# Altium PCB 23005.PcbDoc (part 2 of 3) (continued)
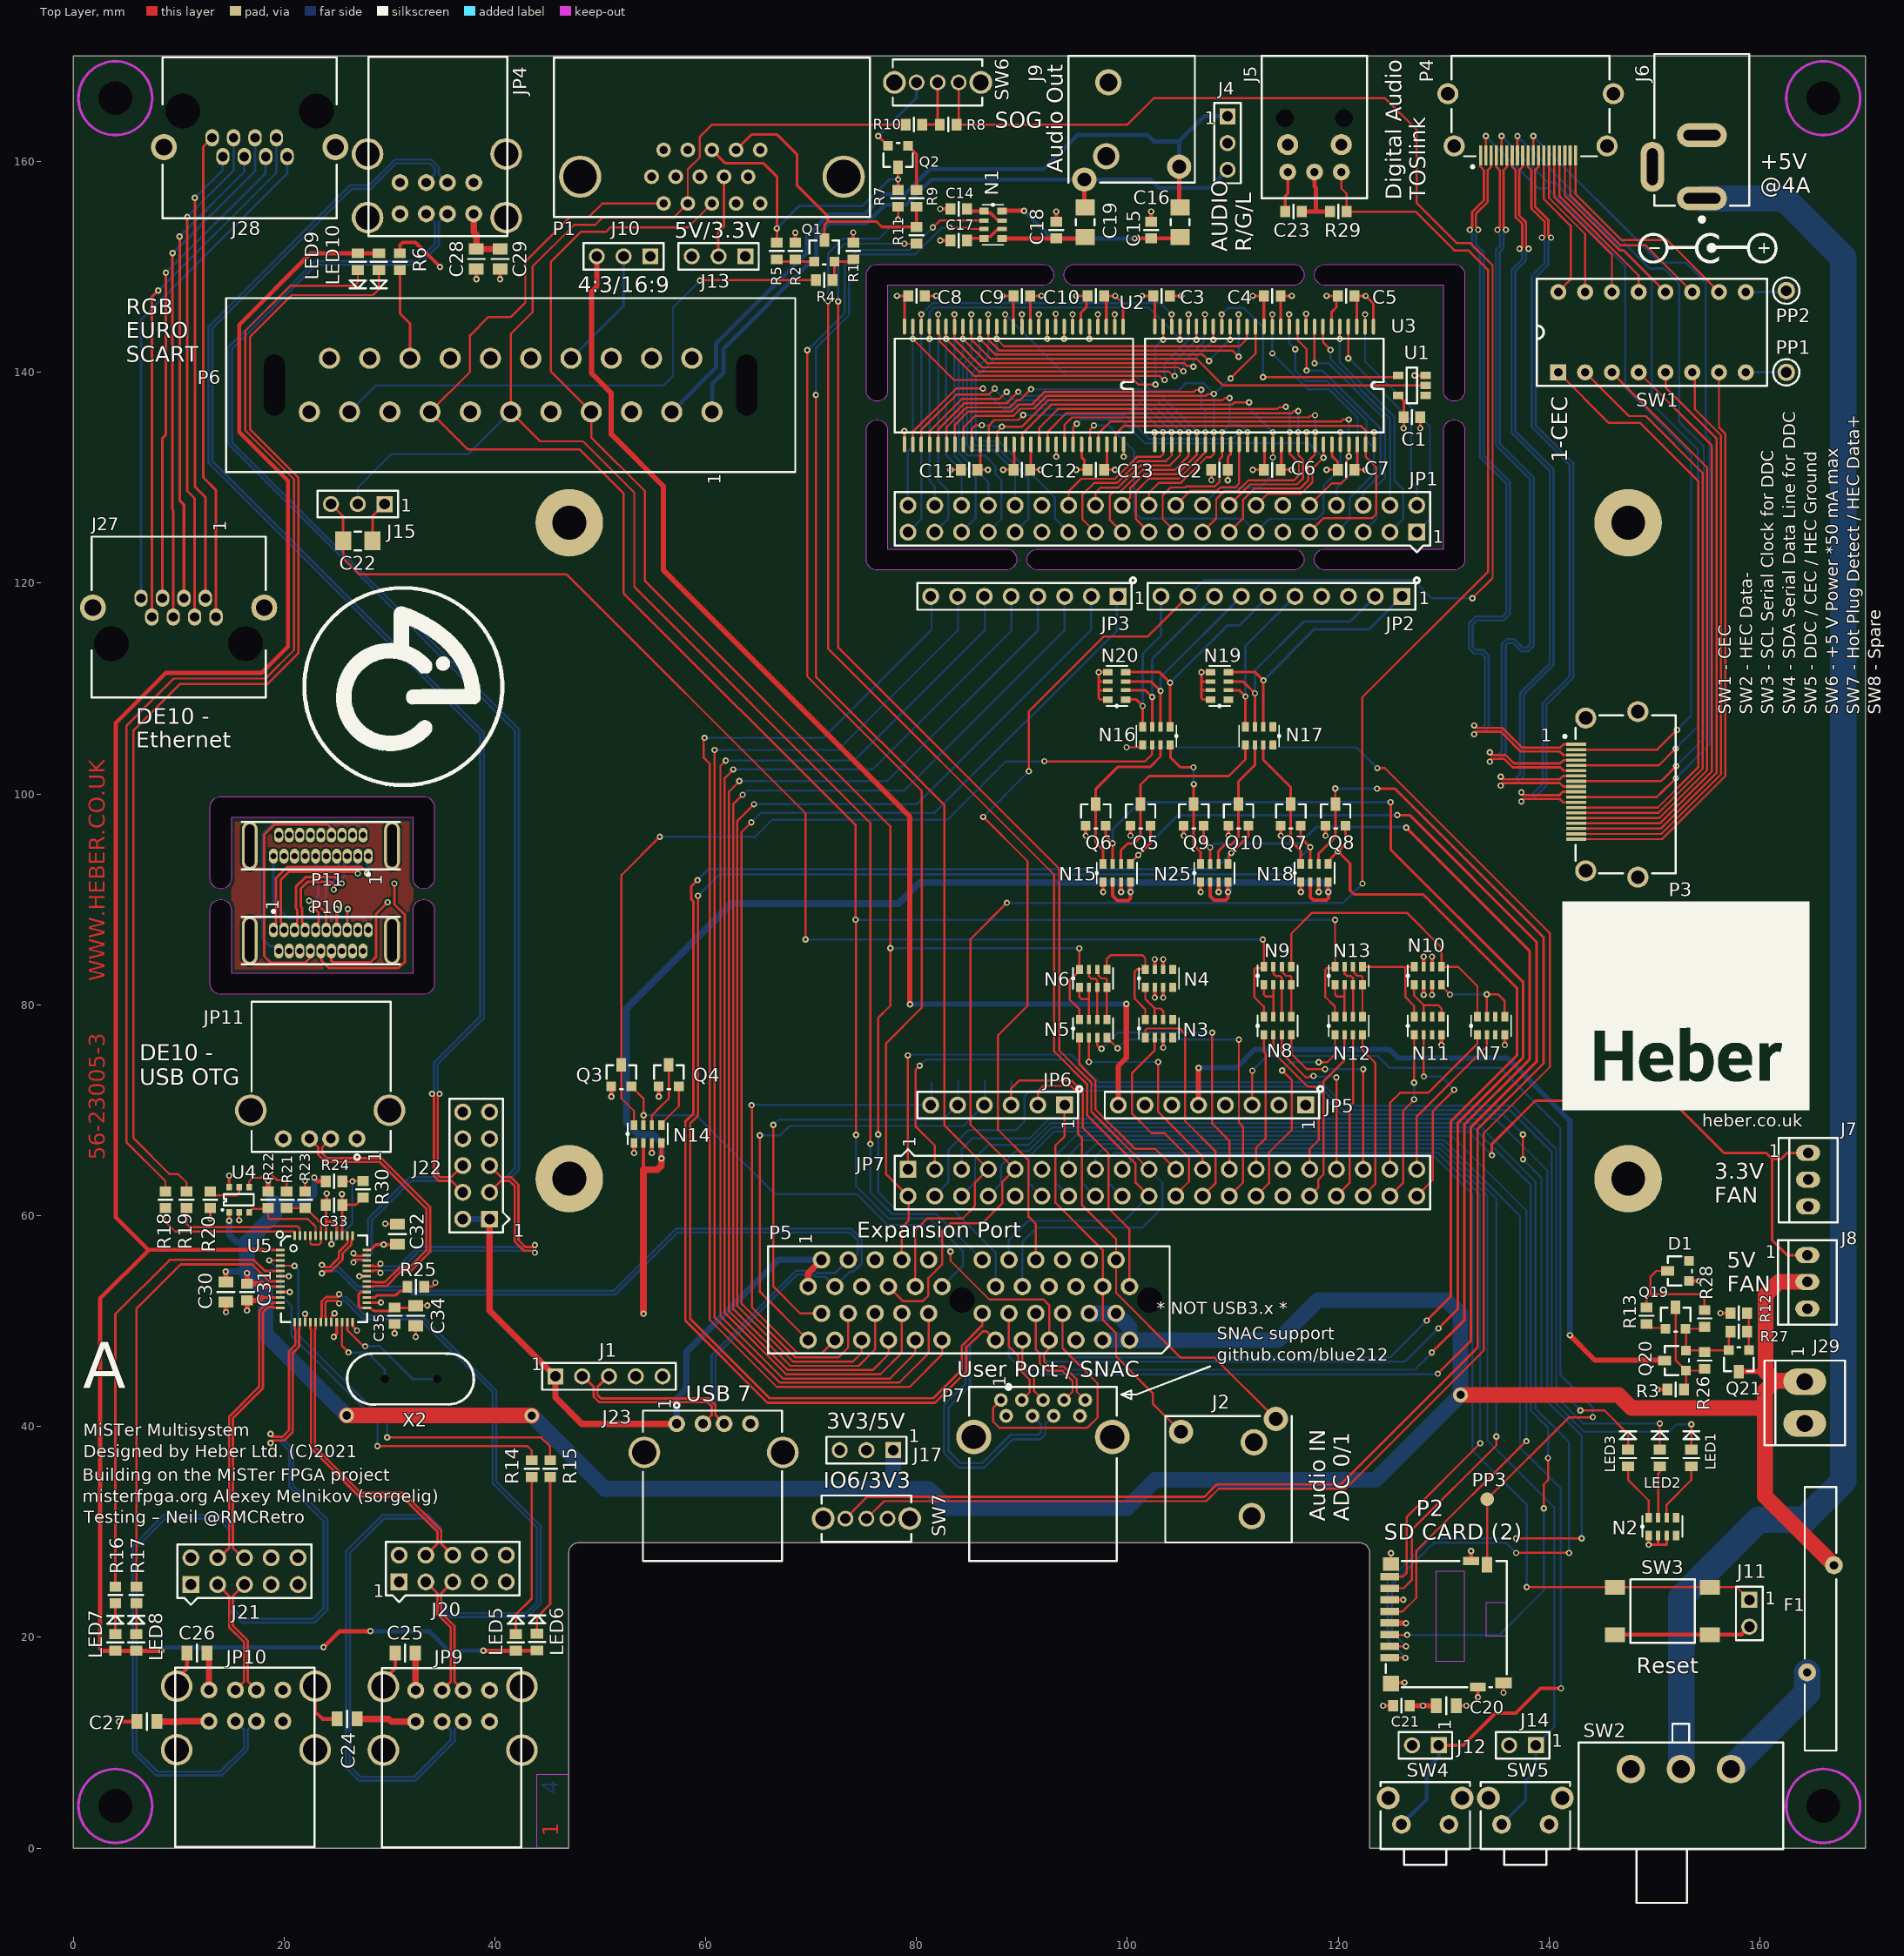
[diagram p0: Top Layer view]
## Nets (pads, with @x,y where several pads share a name; then routed paths per layer and width w, separated by ;. In a path a pad name is that pad's centre, name@x,y a point inside that pad or via, vN(x,y) a via of type N, cw(c..) or ccw(c..) an arc to the next point about the centre after c; other vN are vias at no path point) (continued)
  Bottom Layer w0.23: v1(137.372,99.275) 137.63,99.533 138.472,99.533 139.755,100.815 139.755,108.478 142.3,111.023 142.3,131.38 138.725,134.955 138.725,148.998 139.93,150.203 139.93,152.454 140.189,152.713 v1(140.189,152.773)
HDMI_CK_P: P3.10 P4.10 | length 71.4
  Top Layer w0.23: v1@137.51,99.888 140.988,99.888 141.31,100.21 P3.10@142.575,100.21 ; P4.10@138,160.575 138,159.51 138.322,159.188 138.322,158.925 138.322,155.55 139.575,154.298 139.575,152.91 139.552,152.91 139.416,152.773 v1(139.316,152.773)
  Bottom Layer w0.23: v1(137.372,100.145) 137.63,99.888 138.325,99.888 139.4,100.963 139.4,108.625 141.945,111.17 141.945,131.233 138.37,134.808 138.37,149.145 139.575,150.35 139.575,152.454 139.316,152.713 v1(139.316,152.773)
HDMI_D0_N: P3.9 P4.9 | length 72.3
  Top Layer w0.23: v1@135.56,101.032 141.018,101.032 141.34,100.71 P3.9@142.575,100.71 ; P4.9@137.5,160.575 137.5,159.51 137.178,159.188 137.178,156.525 137.178,154.873 137.805,154.245 137.805,151.86 137.816,151.86 137.956,151.72 v1(138.056,151.72)
  Bottom Layer w0.23: v1(135.42,100.786) 135.442,100.786 135.689,101.032 136.93,101.032 137.6,101.703 137.6,109.423 140.43,112.253 140.43,130.795 136.8,134.425 136.8,149.573 137.805,150.578 137.805,151.4 138.056,151.651 v1(138.056,151.72)
HDMI_D0_P: P3.7 P4.7 | length 71.8
  Top Layer w0.23: v1@135.56,101.387 141.012,101.387 141.335,101.71 P3.7@142.575,101.71 ; P4.7@136.5,160.575 136.5,159.51 136.823,159.188 136.823,159.05 136.823,154.725 137.45,154.098 137.45,151.86 137.439,151.86 137.299,151.72 v1(137.199,151.72)
  Bottom Layer w0.23: v1(135.42,101.634) 135.442,101.634 135.689,101.387 136.782,101.387 137.245,101.85 137.245,109.57 140.075,112.4 140.075,130.648 136.445,134.278 136.445,149.72 137.45,150.725 137.45,151.4 137.199,151.651 v1(137.199,151.72)
HDMI_D1_N: P3.6 P4.6 | length 72.2
  Top Layer w0.23: v1@134.51,103.325 135.748,103.325 136.349,102.724 136.54,102.533 141.077,102.533 141.4,102.21 P3.6@141.835,102.21 ; v1(135.9,153.525) 135.895,153.525 135.678,153.743 135.678,159.187 136,159.51 P4.6@136,160.575 ; P3.6@141.84,102.21 P3.6@141.835,102.21 ; P3.6@142.575,102.21 P3.6@141.835,102.21
  Bottom Layer w0.23: v1(134.373,103.066) 134.633,103.325 135.277,103.325 135.88,103.928 135.88,114.102 136.1,114.322 136.55,114.322 137.33,113.542 138.047,113.542 138.53,114.025 138.53,130.02 135.305,133.245 135.305,151.424 135.678,151.796 135.678,153.202 135.9,153.425 v1(135.9,153.525)
HDMI_D1_P: P3.4 P4.4 | length 71.6
  Top Layer w0.23: v1@134.51,103.68 135.895,103.68 136.6,102.975 136.688,102.888 141.052,102.888 141.375,103.21 P3.4@141.835,103.21 ; P4.4@135,160.575 135,159.51 135.323,159.187 135.323,153.75 135.285,153.712 135.285,153.681 135.129,153.525 v1(135.1,153.525) ; P3.4@141.84,103.21 P3.4@141.835,103.21 ; P3.4@142.575,103.21 P3.4@141.835,103.21
  Bottom Layer w0.23: v1(134.373,103.939) 134.633,103.68 135.13,103.68 135.525,104.075 135.525,114.249 135.953,114.677 136.697,114.677 137.477,113.897 137.9,113.897 138.175,114.172 138.175,129.873 134.95,133.098 134.95,151.571 135.323,151.943 135.323,153.202 135.1,153.425 v1(135.1,153.525)
HDMI_D2_N: P3.3 P4.3 | length 72.4
  Top Layer w0.23: v1@133.05,105.9 135.425,105.9 135.664,105.661 137.292,104.033 141.015,104.033 141.337,103.71 141.5,103.71 P3.3@142.575,103.71 ; v1(133.278,153.525) 133.278,153.622 133.055,153.845 133.055,155.053 134.178,156.175 134.178,156.402 134.177,159.188 134.5,159.51 P4.3@134.5,160.575
  Bottom Layer w0.23: v1(132.895,105.66) 132.93,105.66 133.17,105.9 133.772,105.9 134.275,106.403 134.275,113.125 133.725,113.675 133.025,113.675 132.75,113.95 132.75,116.025 133.195,116.47 135.722,116.47 136.305,117.053 136.305,129.597 133.805,132.097 133.805,151.37 133.055,152.12 133.055,153.202 133.278,153.425 v1(133.278,153.525)
HDMI_D2_P: P3.1 P4.1 | length 71.5
  Top Layer w0.23: 132.7,153.75 132.7,155.2 133.823,156.322 133.823,159.125 133.822,159.187 133.5,159.51 P4.1@133.5,160.575 ; v1@133.05,106.255 135.572,106.255 136.019,105.808 137.44,104.388 141.063,104.388 141.385,104.71 P3.1@142.575,104.71
  Bottom Layer w0.23: v1(132.478,153.525) 132.478,153.425 132.7,153.202 132.7,151.973 133.45,151.223 133.45,131.95 135.95,129.45 135.95,117.2 135.575,116.825 133.048,116.825 132.395,116.172 132.395,113.803 132.878,113.32 133.578,113.32 133.92,112.978 133.92,106.55 133.625,106.255 133.17,106.255 132.93,106.495 v1(132.895,106.495)
HSYNC: P1.13 Q2.3 R5.1 R7.1 | length 29.1
  Top Layer w0.25: P1.13@60.59,161.1 61.84,159.85 65.475,159.85 66.75,158.575 v1(66.75,153.65) R5.1@66.75,152.287 ; R7.1@78.25,157.287 v1(78.25,158.3) Q2.3@78.25,159.459
  Bottom Layer w0.25: v1(66.75,153.65) 68.9,155.8 74.9,155.8 77.4,158.3 v1(78.25,158.3)
HV_8: N14.5 Q4.2 | length 4.3
  Top Layer w0.2: N14.5@55.8,68.6 55.8,68.725 57.452,70.377 Q4.2@57.452,72.259
HV_D+: N18.7 P5.35 P7.3 Q7.2 | length 168.9
  Top Layer w0.23: v1(59.28,90.345) 59.28,69.502 58.525,68.747 58.525,50.2 66.05,42.675 81.575,42.675 84.3,45.4 84.3,47.65 86.23,49.58 P5.35@86.23,50.73
  Top Layer w0.25: Q7.2@116.453,97.009 116.453,95.847 v1(117.35,94.95) N18.7@117.35,93.35
  Bottom Layer w0.23: P5.35@86.23,50.73 86.23,49.58 84.638,47.988 84.638,44.038 82.595,41.995 82.595,37.497 83.992,36.1 86.425,36.1 89.1,38.775 91.725,38.775 92.23,39.28 92.23,40.23 P7.3@93,41
  Bottom Layer w0.25: v1(59.28,90.345) 61.31,92.375 114.775,92.375 v1(117.35,94.95)
HV_D-: N25.5 P5.36 P7.2 Q10.2 | length 162.3
  Top Layer w0.23: 58.075,68.905 58.075,50.042 65.872,42.245 81.753,42.245 84.73,45.222 84.73,47.472 86.283,49.025 86.665,49.025 P5.36@87.5,48.19
  Top Layer w0.25: 58.075,68.905 58.085,68.915 58.085,68.929 58.84,69.684 58.84,89.81 58.65,90 58.65,91.25 v1(59.225,91.825) ; N25.5@109.55,93.35 109.625,93.425 109.625,94.175 v1(109.85,94.4) 111.494,96.044 Q10.2@111.494,97.009
  Bottom Layer w0.23: P5.36@87.5,48.19 87.5,48.2 86.675,49.025 86.283,49.025 85.068,47.81 85.068,43.818 83.025,41.775 83.025,37.675 84.17,36.53 86.247,36.53 88.922,39.205 91.53,39.205 91.8,39.475 91.8,40.2 P7.2@91,41
  Bottom Layer w0.25: v1(59.225,91.825) 60.25,92.85 108.3,92.85 v1(109.85,94.4)
HV_DRAIN: N25.7 P5.38 P7.7 Q9.2 | length 130.1
  Top Layer w0.2: P5.38@90.04,48.19 90.04,45.685 91.15,44.575 91.15,43.35 P7.7@92,42.5
  Top Layer w0.25: Q9.2@107.244,97.009 107.244,95.531 v1(107.85,94.925) N25.7@107.85,93.35 ; v1(126.45,96.8) 138.175,85.075 138.175,74.85 131.95,68.625 131.95,50.075 v1(128.875,47)
  Bottom Layer w0.2: P5.38@90.04,48.19 90.04,46.26 90.92,45.38 127.255,45.38 v1(128.875,47)
  Bottom Layer w0.25: v1(107.85,94.925) 108.225,95.3 116.35,95.3 117.9,96.85 126.4,96.85 v1(126.45,96.8)
HV_SSRX+: N15.5 P5.37 P7.8 Q5.2 | length 148.5
  Top Layer w0.2: P5.37@88.77,50.73 88.77,47.575 89.64,46.705 89.64,45.519 90.75,44.409 90.75,43.25 P7.8@90,42.5
  Top Layer w0.25: N15.5@100.3,93.35 100.3,93.475 v1(101.037,94.212) 102.203,95.378 Q5.2@102.203,97.009 ; v1(125.6,98) 126.775,98 138.8,85.975 138.8,74.6 132.6,68.4 132.6,48.15 v1(129.45,45)
  Bottom Layer w0.2: P5.37@88.77,50.73 88.77,46.635 90.45,44.955 129.405,44.955 v1(129.45,45)
  Bottom Layer w0.25: v1(101.037,94.212) 104.825,98 v1(125.6,98)
HV_SSRX-: N18.5 P5.41 P7.9 Q8.2 | length 127.1
  Top Layer w0.2: P7.9@88,42.5 87.275,41.775 87.275,40.45 87.85,39.875 96.2,39.875 97.175,40.85 97.175,44.075 93.85,47.4 P5.41@93.85,50.73
  Top Layer w0.25: N18.5@119.05,93.35 119.25,93.55 119.25,93.825 v1(119.976,94.551) ; Q8.2@120.703,97.009 120.703,95.278 v1(119.976,94.551) ; v1(128.4,50.05) 130.7,52.35 130.7,68.95 136.975,75.225 136.975,81.55 128.05,90.475 121.5,90.475 121.125,90.85 121.125,93.403 v1(119.976,94.551)
  Bottom Layer w0.2: P5.41@93.85,50.73 93.85,47.475 94.775,46.55 124.9,46.55 v1(128.4,50.05)
HV_SSTX+: N14.7 P5.40 P7.5 Q3.2 | length 62.3
  Top Layer w0.2: Q3.2@52.953,72.259 54.1,71.112 v1(54.1,69.525) N14.7@54.1,68.6 ; v1(83.225,56.6) 83.225,55.725 86.9,52.05 92.025,52.05 92.58,51.495 P5.40@92.58,48.19 92.58,47.4 92.1,46.92 92.1,46.15 92.575,45.675 93.991,45.675 95.2,44.466 95.2,43.3 P7.5@96,42.5
  Bottom Layer w0.2: v1@54.075,69.55 v1(54.1,69.525) 59.075,69.525 66.55,62.05 74.325,62.05 77.262,59.113 80.713,59.113 v1(83.225,56.6)
HV_SSTX-: N15.7 P5.39 P7.6 Q6.2 | length 145.4
  Top Layer w0.2: P5.39@91.31,50.73 91.31,47.315 91.7,46.925 91.7,45.984 92.409,45.275 93.825,45.275 94.8,44.3 94.8,43.3 P7.6@94,42.5
  Top Layer w0.25: Q6.2@97.953,97.009 97.953,95.973 v1(98.6,95.325) N15.7@98.6,93.35 ; v1(124.975,99.225) 124.975,94.725 137.55,82.15 137.55,75 131.325,68.775 131.325,51.125 v1(129.5,49.3)
  Bottom Layer w0.2: P5.39@91.31,50.73 91.31,47.24 92.4,46.15 126.35,46.15 v1(129.5,49.3)
  Bottom Layer w0.25: v1(98.6,95.325) 98.6,96.65 101.175,99.225 v1(124.975,99.225)
IO6: JP2.10 N16.4 N20.1 | length 15
  Top Layer w0.25: N20.1@99.85,108.95 100.85,108.95 v1(101.45,108.35) N16.4@101.45,106.35
  Bottom Layer w0.25: v1(101.45,108.35) 101.45,113.3 103.19,115.04 JP2.10@103.19,118.74
LED_1: R14.2 U5.3 | length 38.9
  Top Layer w0.2: v1(18.6,55.75) U5.3@19.66,55.75 ; v1(28.865,38.138) 28.878,38.15 43.075,38.15 43.5,37.725 R14.2@43.5,36.787
  Bottom Layer w0.2: v1(18.6,55.75) 19.66,54.69 19.66,52.465 20.713,51.413 20.713,48.587 28.865,40.435 v1@28.865,38.16 ; v1(28.865,38.138) v1@28.865,38.16 ; v1@29,38.025 v1@28.865,38.16
LED_2: R15.2 U5.4 | length 38.4
  Top Layer w0.2: U5.4@19.66,55.25 20.975,55.25 v1(21,55.225) ; v1(29.8,38.95) 44.4,38.95 45.25,38.1 R15.2@45.25,36.787
  Bottom Layer w0.2: v1(21,55.225) 21.35,54.875 21.35,48.7 29.8,40.25 v1(29.8,38.95)
LED_3: R16.2 U5.5 | length 44.1
  Top Layer w0.23: R16.2@4,24.787 4,50.65 9.15,55.8 17.15,55.8 18.19,54.76 19.65,54.76 U5.5@19.66,54.75
LED_4: R17.2 U5.7 | length 42.5
  Top Layer w0.23: R17.2@6,24.787 6,51.175 10.195,55.37 16.972,55.37 18.582,53.76 19.65,53.76 U5.7@19.66,53.75
LED_5: R18.2 U5.48 | length 14.3
  Top Layer w0.2: R18.2@8.75,60.713 8.75,59.425 9.685,58.49 20.975,58.49 20.975,58.475 21,58.45 U5.48@21,58.09
LED_6: R19.2 U5.47 | length 13.2
  Top Layer w0.2: R19.2@10.75,60.713 10.75,59.225 11.085,58.89 18.715,58.89 18.825,59 21.25,59 21.5,58.75 U5.47@21.5,58.09
LED_DISK: JP7.3 LED2.2 | length 111.3
  Top Layer w0.2: v1(80.3,74.225) 79.9,73.825 79.9,68.46 81.73,66.63 JP7.3@81.73,64.39 ; LED2.2@150.5,37.787 v1(150.5,40.275)
  Bottom Layer w0.2: v1(80.3,74.225) 80.875,74.8 94.363,74.8 96.913,72.25 118.234,72.25 120.459,70.025 136.25,70.025 140.25,66.025 140.25,43.25 143.225,40.275 v1(150.5,40.275)
LED_DRIVE: LED5.1 LED6.1 LED7.1 LED8.1 LED9.1 LED10.1 U5.1 | length 214.4
  Top Layer w0.25: 18.05,56.75 U5.1@19.66,56.75
  Top Layer w0.4: 7.15,56.75 18.05,56.75 ; v1(8.375,18.7) 8.369,18.706 6,18.706 4.006,18.706 LED7.1@4,18.713 2.787,18.713 2.55,18.95 2.55,52.125 7.15,56.725 4.05,59.825 4.05,106.75 8.8,111.5 17.9,111.5 20.375,113.975 20.375,129.725 15.75,134.35 15.75,144.5 22.537,151.287 LED9.1@27,151.287 LED10.1@29,151.287 ; v1(23.75,19.05) 25.275,20.575 v1(28.2,20.575) ; v1(38.925,18.725) 38.937,18.713 LED5.1@42,18.713 42.019,18.731 43.981,18.731 LED6.1@44,18.75
  Bottom Layer w0.4: v1(8.375,18.7) 8.725,19.05 v1(23.75,19.05) ; v1(28.2,20.575) 33.775,20.575 35.625,18.725 v1(38.925,18.725)
LED_PWR: JP7.5 LED1.2 | length 99.8
  Top Layer w0.2: LED1.2@153.5,37.787 v1(153.5,40.2)
  Bottom Layer w0.2: JP7.5@84.27,64.39 84.27,66.32 85.263,67.313 90.69,67.313 92.553,69.175 134.925,69.175 139.825,64.275 139.825,43 143.325,39.5 151.375,39.5 152.075,40.2 v1(153.5,40.2)
LED_USER: JP7.1 LED3.2 | length 108.7
  Top Layer w0.2: v1(79.175,75.2) 79.19,75.185 JP7.1@79.19,64.39 ; v1(142.975,41.525) 145.25,41.525 147.5,39.275 LED3.2@147.5,37.787
  Bottom Layer w0.2: v1(79.175,75.2) 79.25,75.275 94.675,75.275 97.3,72.65 118.4,72.65 120.625,70.425 136.55,70.425 140.675,66.3 140.675,43.825 v1(142.975,41.525)
LV_8: N14.6 Q4.3 | length 6.4
  Top Layer w0.2: N14.6@54.9,68.6 54.9,69.5 55.625,70.225 56.5,71.1 Q4.3@56.5,74.291
LV_D+: N17.7 N18.8 Q7.3 | length 12.8
  Top Layer w0.25: N17.7@112.9,104.65 112.9,103.225 115.5,100.625 Q7.3@115.5,99.041 115.5,95.575 116.45,94.625 N18.8@116.45,93.35
LV_D-: N17.6 N25.6 Q10.3 | length 13.1
  Top Layer w0.25: N25.6@108.65,93.35 108.65,94.6 109.225,95.175 109.825,95.175 110.541,95.891 Q10.3@110.541,99.041 110.541,101.191 112.1,102.75 N17.6@112.1,104.65
LV_DRAIN: N16.8 N25.8 Q9.3 | length 13.2
  Top Layer w0.25: N16.8@104.05,104.65 104.1,104.6 104.1,103.45 105.025,102.525 v1(106.275,102.525) ; v1(106.3,100.925) 106.291,100.916 Q9.3@106.291,99.041 106.291,95.134 106.95,94.475 N25.8@106.95,93.35
  Bottom Layer w0.25: v1(106.275,102.525) 106.3,102.5 v1(106.3,100.925)
LV_SSRX+: N15.6 N17.5 Q5.3 | length 20.9
  Top Layer w0.25: N15.6@99.4,93.35 99.4,94.675 100.025,95.3 100.6,95.3 101.25,95.95 Q5.3@101.25,99.041 101.25,100.875 102.075,101.7 109.625,101.7 111.2,103.275 N17.5@111.2,104.65
LV_SSRX-: N18.6 Q8.3 SW7.1 | length 141.7
  Top Layer w0.2: v1(119.725,100.525) 119.725,99.066 Q8.3@119.75,99.041
  Top Layer w0.23: SW7.1@73.25,31.25 75.325,33.325 107.3,33.325 108.475,34.5 120.25,34.5 133.225,47.475 133.225,68.2 139.475,74.45 139.475,86.4 125.375,100.5 v1(123.675,100.5)
  Top Layer w0.25: N18.6@118.15,93.35 118.15,94.35 119.75,95.95 Q8.3@119.75,99.041
  Bottom Layer w0.23: v1(119.725,100.525) 119.75,100.5 v1(123.675,100.5)
LV_SSTX+: N14.8 N16.6 Q3.3 | length 80.2
  Top Layer w0.2: N14.8@53.2,68.6 53.2,69.925 52,71.125 52,92.3 v1(55.65,95.95) ; v1(92.125,103.1) 101.675,103.1 102.35,103.775 N16.6@102.35,104.65
  Bottom Layer w0.2: v1(55.65,95.95) 64.725,95.95 66.325,97.55 82.95,97.55 88.5,103.1 v1(92.125,103.1)
LV_SSTX-: N15.8 N16.7 Q6.3 | length 15.9
  Top Layer w0.25: N15.8@97.7,93.35 97.7,94.675 97,95.375 Q6.3@97,99.041 97,100.475 99.075,102.55 102.15,102.55 103.15,103.55 N16.7@103.15,104.65
NANO_HSYNC: JP7.20 P5.14 R7.2 | length 128.1
  Top Layer w0.2: v1(71.6,146.75) 71.6,113.8 93.05,92.35 93.05,75.594 96.175,72.469 96.175,69.525 100.775,64.925 100.775,63.125 JP7.20@102.05,61.85 ; v1(78.25,154.5) R7.2@78.25,155.713
  Bottom Layer w0.2: v1(71.6,146.75) 71.625,146.775 71.625,151.325 72.975,152.675 76.425,152.675 v1(78.25,154.5) ; P5.14@88.77,55.81 88.77,57.67 90.6,59.5 99.7,59.5 JP7.20@102.05,61.85
NANO_LEFT: JP7.2 N1.2 P5.8 | length 118
  Top Layer w0.2: v1(69.625,142.1) 69.625,111.175 80.5,100.3 80.5,79.725 77.125,76.35 77.125,63.915 JP7.2@79.19,61.85 79.25,61.79 79.25,59.5 78.61,58.86 P5.8@78.61,55.81 ; v1(81.55,153.75) 82.2,154.4 N1.2@86.4,154.4
  Bottom Layer w0.2: v1@69.65,142.075 73.2,145.625 73.2,150.35 74.45,151.6 77.575,151.6 79.4,151.6 v1(81.55,153.75)
NANO_RIGHT: JP7.7 N1.3 P5.9 | length 124.2
  Top Layer w0.2: v1(70.45,137.85) 70.45,111.125 82.65,98.925 82.65,68.55 JP7.7@86.81,64.39 85.525,63.105 85.525,60.875 84.375,59.725 81,59.725 79.88,58.605 P5.9@79.88,53.27 ; v1(83.15,153.725) 84.85,153.725 84.975,153.6 N1.3@86.4,153.6
  Bottom Layer w0.2: v1(70.45,137.85) 70.45,142.275 73.6,145.425 73.6,150.184 74.616,151.2 77.741,151.2 79.875,151.2 82.4,153.725 v1(83.15,153.725)
NANO_VSYNC: JP7.19 P5.15 R11.1 | length 130.1
  Top Layer w0.2: v1(72.575,146.725) 72.575,113.875 93.537,92.913 93.537,75.672 96.575,72.634 96.575,69.865 JP7.19@102.05,64.39 ; v1(78.85,152.2) 79.987,152.2 R11.1@80,152.213
  Bottom Layer w0.2: v1(72.575,146.725) 72.575,151.6 73.175,152.2 v1(78.85,152.2) ; P5.15@90.04,53.27 90.04,57.515 91.375,58.85 101.4,58.85 103.325,60.775 103.325,63.115 JP7.19@102.05,64.39
NetC14_1: C14.1 N1.1 N1.7 | length 3.8
  Top Layer w0.3: C14.1@84.787,155.5 84.987,155.3 N1.1@86.4,155.3 86.575,155.125 87,155.125 87.725,154.4 N1.7@88.1,154.4
NetC15_2: C15.2 C16.1 N1.8 | length 18.1
  Top Layer w0.4: N1.8@88.1,155.3 88.125,155.325 v1(90.2,155.325) ; v1(100.7,152.7) 100.713,152.713 C15.2@102.25,152.713 104.86,152.713 C16.1@105,152.853
  Bottom Layer w0.4: v1(90.2,155.325) 92.825,152.7 v1(100.7,152.7)
NetC17_1: C17.1 N1.4 N1.6 | length 3.8
  Top Layer w0.3: C17.1@84.787,152.5 84.987,152.7 N1.4@86.4,152.7 86.575,152.875 87.005,152.875 87.73,153.6 N1.6@88.1,153.6
NetC18_2: C18.2 C19.1 N1.5 | length 8
  Top Layer w0.4: N1.5@88.1,152.7 95.847,152.7 C19.1@96,152.853
NetC22_1: C22.1 J15.1 | length 4
  Top Layer w0.25: C22.1@28.397,124 28.397,126.357 J15.1@29.54,127.5
NetD1_3: D1.3 R13.2 R28.2 | length 11.3
  Top Layer w0.2: R13.2@149.25,51.287 149.25,52.2 149.6,52.55 ; D1.3@151.25,54.75 150.175,54.75 149.6,54.175 149.6,52.55 ; R28.2@154.75,51.037 154.75,52.025 154.225,52.55 149.6,52.55
NetF1_1: F1.1 SW2.3 | length 12.2
  Bottom Layer w2.5: SW2.3@157.25,7.5 164.48,14.73 F1.1@164.48,16.67
NetJ6_1: J6.1 SW2.2 | length 168
  Bottom Layer w2.5: SW2.2@152.5,7.5 152.538,7.538 152.538,23.788 159.9,31.15 164.25,31.15 167.9,34.8 167.9,150.875 162.275,156.5 J6.1@154.5,156.5
NetJ10_2: J10.2 P6.8 | length 11.7
  Bottom Layer w0.25: P6.8@47.23,141.33 52.21,146.31 J10.2@52.21,151
NetJ13_2: J13.2 P1.9 | length 7.8
  Top Layer w0.25: J13.2@61.22,151 61.175,151.045 61.175,153.25 61.737,153.812 P1.9@61.737,158.56
NetJ27_1: J27.1 J28.1 | length 46.3
  Top Layer w0.25: J28.1@13.186,162.25 12.35,161.414 12.35,130.025 13.556,128.819 J27.1@13.556,116.79
NetJ27_2: J27.2 J28.2 | length 43.4
  Top Layer w0.25: v1(11.55,156.55) 11.55,129.15 12.54,128.16 J27.2@12.54,118.568
  Bottom Layer w0.25: v1(11.55,156.55) 14.202,159.202 J28.2@14.202,160.472
NetJ27_3: J27.3 J28.3 | length 47.6
  Top Layer w0.25: v1(10.825,154.75) 10.825,128.75 11.524,128.051 J27.3@11.524,116.79
  Bottom Layer w0.25: v1(10.825,154.75) 15.218,159.143 J28.3@15.218,162.25
NetJ27_4: J27.4 J28.4 | length 44.6
  Top Layer w0.25: v1(10.1,152.875) 10.1,127.85 10.508,127.442 J27.4@10.508,118.568
  Bottom Layer w0.25: v1(10.1,152.875) 16.234,159.009 J28.4@16.234,160.472
NetJ27_5: J27.5 J28.5 | length 48.8
  Top Layer w0.25: v1(9.425,151.3) 9.425,127 9.492,126.933 J27.5@9.492,116.79
  Bottom Layer w0.25: v1(9.425,151.3) 9.475,151.3 17.25,159.075 J28.5@17.25,162.25
NetJ27_6: J27.6 J28.6 | length 46
  Top Layer w0.25: J27.6@8.476,118.568 8.476,133.751 8.775,134.05 8.775,149.425 v1(8.8,149.45)
  Bottom Layer w0.25: v1(8.8,149.45) 18.266,158.916 J28.6@18.266,160.472
NetJ27_7: J27.7 J28.7 | length 50.4
  Top Layer w0.25: J27.7@7.46,116.79 7.46,147.135 v1(8.075,147.75)
  Bottom Layer w0.25: v1(8.075,147.75) 8.1,147.75 19.282,158.932 J28.7@19.282,162.25
NetJ27_8: J27.8 J28.8 | length 47.6
  Bottom Layer w0.25: J27.8@6.444,118.568 6.444,144.994 20.298,158.848 J28.8@20.298,160.472
NetLED1_1: LED1.1 N2.6 | length 5.8
  Top Layer w0.2: N2.6@151.15,31.35 151.15,32.575 153.5,34.925 LED1.1@153.5,36.213
NetLED2_1: LED2.1 N2.7 | length 5
  Top Layer w0.2: N2.7@150.35,31.35 150.35,35.525 150.5,35.675 LED2.1@150.5,36.275
NetLED3_1: LED3.1 N2.8 | length 5.7
  Top Layer w0.2: LED3.1@147.5,36.275 147.5,34.925 149.45,32.975 N2.8@149.45,31.35
NetLED5_2: LED5.2 R14.1 | length 15.5
  Top Layer w0.23: LED5.2@42,20.287 42,22.175 43.5,23.675 R14.1@43.5,35.213
NetLED6_2: LED6.2 R15.1 | length 15.4
  Top Layer w0.23: LED6.2@44,20.325 44,21.9 45.25,23.15 R15.1@45.25,35.213
NetLED7_2: LED7.2 R16.1 | length 2.9
  Top Layer w0.23: LED7.2@4,20.287 R16.1@4,23.213
NetLED8_2: LED8.2 R17.1 | length 2.9
  Top Layer w0.23: LED8.2@6,20.287 R17.1@6,23.213
NetLED9_2: LED9.2 R18.1 | length 110.5
  Top Layer w0.2: R18.1@8.75,62.287 8.75,63.275 5.05,66.975 5.05,106.45 9.55,110.95 18.25,110.95 20.95,113.65 20.95,129.857 16.325,134.482 16.325,143.925 20.6,148.2 26.675,148.2 27,148.525 LED9.2@27,149.713
NetLED10_2: LED10.2 R19.1 | length 112.8
  Top Layer w0.2: R19.1@10.75,62.287 10.75,63.15 9.975,63.925 9.15,63.925 5.725,67.35 5.725,106.025 10.15,110.45 18.45,110.45 21.35,113.35 21.35,130.023 16.8,134.573 16.8,143.4 20.725,147.325 28.45,147.325 29,147.875 LED10.2@29,149.713
NetN3_6: N3.6 N3.7 N4.1 | length 5.1
  Top Layer w0.2: N4.1@101.7,81.65 101.7,80.55 102.6,79.65 ; N3.7@102.6,78.6 102.6,79.65 ; N3.6@103.4,78.6 103.4,79.4 103.15,79.65 102.6,79.65
NetN3_8: N3.8 N4.8 N6.5 | length 12.1
  Top Layer w0.2: N6.5@98.05,83.35 98.05,84.35 98.425,84.725 101.4,84.725 101.7,84.425 N4.8@101.7,83.35 101.675,83.375 100.925,83.375 100.7,83.15 100.7,80.575 101.7,79.575 N3.8@101.7,78.6
NetN5_5: N5.5 N6.4 N6.6 | length 5.3
  Top Layer w0.2: N6.6@97.15,83.35 97.15,83.325 97.25,83.225 97.25,82.8 97.55,82.5 97.933,82.5 98.05,82.383 N6.4@98.05,81.65 N5.5@98.05,78.6
NetN5_6: N5.6 N6.3 N6.7 | length 5.3
  Top Layer w0.2: N6.7@96.35,83.35 96.35,82.7 96.563,82.488 96.963,82.488 97.15,82.3 N6.3@97.15,81.65 N5.6@97.15,78.6
NetN5_7: N5.7 N6.1 N6.2 | length 5
  Top Layer w0.2: N6.1@95.45,81.65 95.45,80.725 95.625,80.55 96.325,80.55 96.35,80.525 ; N5.7@96.35,78.6 96.35,80.525 ; N6.2@96.35,81.65 96.35,80.525
NetN7_5: N7.5 N7.7 N10.4 | length 10.4
  Top Layer w0.2: N10.4@129.8,81.9 129.8,81.775 v1(130.6,80.975) ; N7.7@134.1,78.85 v1(134.1,81) 135.15,81 135.8,80.35 N7.5@135.8,78.85
  Bottom Layer w0.2: v1(130.6,80.975) 130.625,81 v1(134.1,81)
NetN7_8: N7.8 N9.5 N10.5 | length 28.5
  Top Layer w0.2: N9.5@115.55,83.6 115.55,86.75 117.525,88.725 126.5,88.725 129.8,85.425 N10.5@129.8,83.6 131.375,83.6 133.2,81.775 N7.8@133.2,78.85
NetN8_5: N8.5 N9.4 N9.6 | length 5.3
  Top Layer w0.2: N9.6@114.65,83.6 114.65,83.575 114.75,83.475 114.75,83.05 115.05,82.75 115.433,82.75 115.55,82.633 N9.4@115.55,81.9 N8.5@115.55,78.85
NetN8_6: N8.6 N9.3 N9.7 | length 5.3
  Top Layer w0.2: N9.7@113.85,83.6 113.85,82.95 114.062,82.738 114.462,82.738 114.65,82.55 N9.3@114.65,81.9 N8.6@114.65,78.85
NetN8_7: N8.7 N9.1 N9.2 | length 5
  Top Layer w0.2: N9.1@112.95,81.9 112.95,80.975 113.125,80.8 113.825,80.8 113.85,80.775 ; N8.7@113.85,78.85 113.85,80.775 ; N9.2@113.85,81.9 113.85,80.775
NetN10_1: N10.1 N11.5 N11.7 | length 6.1
  Top Layer w0.2: N10.1@127.2,81.9 127.2,80.875 128.1,79.975 ; N11.7@128.1,78.85 128.1,79.975 ; N11.5@129.8,78.85 129.8,79.65 129.475,79.975 128.1,79.975
NetN10_8: N10.8 N11.8 N13.5 | length 10
  Top Layer w0.2: N13.5@122.3,83.6 126.258,83.6 126.375,83.483 ; N11.8@127.2,78.85 127.2,79.9 126.375,80.725 126.375,83.483 ; N10.8@127.2,83.6 126.492,83.6 126.375,83.483
NetN12_5: N12.5 N13.4 N13.6 | length 5.3
  Top Layer w0.2: N13.6@121.4,83.6 121.4,83.575 121.5,83.475 121.5,83.05 121.8,82.75 122.183,82.75 122.3,82.633 N13.4@122.3,81.9 N12.5@122.3,78.85
NetN12_6: N12.6 N13.3 N13.7 | length 5.3
  Top Layer w0.2: N13.7@120.6,83.6 120.6,82.95 120.812,82.738 121.212,82.738 121.4,82.55 N13.3@121.4,81.9 N12.6@121.4,78.85
NetN12_7: N12.7 N13.1 N13.2 | length 5
  Top Layer w0.2: N13.1@119.7,81.9 119.7,80.975 119.875,80.8 120.575,80.8 120.6,80.775 ; N12.7@120.6,78.85 120.6,80.775 ; N13.2@120.6,81.9 120.6,80.775
NetN16_5: N16.5 SW7.2 | length 156.6
  Top Layer w0.2: SW7.2@75.25,31.25 76.91,32.91 107.485,32.91 108.66,34.085 120.685,34.085 133.8,47.2 133.8,67.825 140.075,74.1 140.075,86.8 124.425,102.45 v1(123.7,102.45) ; v1(99.925,104.425) 101.45,104.425 N16.5@101.45,104.65
  Bottom Layer w0.2: v1(99.925,104.425) 121.725,104.425 v1(123.7,102.45)
NetP3_2: P3.2 P4.2 | length 78
  Top Layer w0.2: P3.2@142.275,104.21 150.26,104.21 v1(152.125,106.075)
  Top Layer w0.23: P4.2@134,160.575 v1(134,162.41)
  Bottom Layer w0.2: v1(134,162.41) 138.935,157.475 139.85,157.475 147.225,150.1 147.225,138.5 153.475,132.25 153.475,107.425 v1(152.125,106.075)
NetP3_5: P3.5 P4.5 | length 79.3
  Top Layer w0.2: P3.5@142.275,102.71 150.41,102.71 v1(152,104.3)
  Top Layer w0.23: P4.5@135.5,160.575 v1(135.5,162.41)
  Bottom Layer w0.2: 149.75,148.825 149.75,137.025 154.125,132.65 154.125,106.425 v1(152,104.3)
  Bottom Layer w0.23: v1(135.5,162.41) 139.885,158.025 140.55,158.025 149.75,148.825
NetP3_8: P3.8 P4.8 | length 81.2
  Top Layer w0.2: P3.8@142.275,101.21 150.61,101.21 150.945,101.545
  Top Layer w0.23: P4.8@137,160.575 v1(137,162.41) ; 150.945,101.545 v1(152.05,102.65)
  Bottom Layer w0.2: v1(152.05,102.65) 154.675,105.275 154.675,132.975 152.325,135.325 152.325,148.25
  Bottom Layer w0.23: v1(137,162.41) 149.56,149.85 150.9,149.85 152.325,148.425 152.325,148.25
NetP3_11: P3.11 P4.11 | length 82.9
  Top Layer w0.2: P3.11@142.275,99.71 150.235,99.71 150.55,100.025
  Top Layer w0.23: P4.11@138.5,160.575 v1(138.5,162.41) ; 150.55,100.025 v1(152.025,101.5)
  Bottom Layer w0.2: v1(152.025,101.5) 155.225,104.7 155.225,133.625 154.875,133.975 154.875,148.5
  Bottom Layer w0.23: v1(138.5,162.41) 150.51,150.4 152.975,150.4 154.875,148.5
NetP3_13: P3.13 SW1.1 | length 58.1
  Top Layer w0.2: SW1.1@140.88,140 145.68,135.2 148.631,135.2 154.15,129.681 154.15,102.541 150.319,98.71 P3.13@142.275,98.71
NetP3_14: P3.14 SW1.2 | length 57.2
  Top Layer w0.2: P3.14@142.275,98.21 150.385,98.21 154.575,102.4 154.575,130.45 149.175,135.85 147.57,135.85 143.44,139.98 143.42,139.98 SW1.2@143.42,140
NetP3_15: P3.15 SW1.3 | length 56.1
  Top Layer w0.2: P3.15@142.275,97.71 150.451,97.71 155,102.259 155,130.95 145.975,139.975 145.975,140 SW1.3@145.96,140
NetP3_16: P3.16 SW1.4 | length 56
  Top Layer w0.2: P3.16@142.275,97.21 150.516,97.21 155.45,102.144 155.45,133.05 SW1.4@148.5,140
NetP3_17: P3.17 SW1.5 | length 55.8
  Top Layer w0.2: P3.17@142.275,96.71 150.582,96.71 155.9,102.028 155.9,133.711 151.05,138.561 151.05,139.99 SW1.5@151.04,140
NetP3_18: P3.18 SW1.6 | length 55.6
  Top Layer w0.2: P3.18@142.275,96.21 150.648,96.21 156.3,101.862 156.3,134.018 153.833,136.485 153.833,139.747 SW1.6@153.58,140
NetP3_19: P3.19 SW1.7 | length 55.5
  Top Layer w0.2: P3.19@142.275,95.71 150.713,95.71 156.725,101.722 156.725,132.05 156.7,132.075 156.7,134.184 156.12,134.764 SW1.7@156.12,140
NetP4_13: P4.13 SW1.16 | length 14.5
  Top Layer w0.2: P4.13@139.5,160.575 139.5,158.025 139.5,156.45 142.05,153.9 142.05,148.8 140.88,147.63 SW1.16@140.88,147.62
NetP4_14: P4.14 SW1.15 | length 14.4
  Top Layer w0.2: P4.14@140,160.575 140,158.025 140,156.55 143.425,153.125 143.425,147.625 SW1.15@143.42,147.62
NetP4_15: P4.15 SW1.14 | length 15.2
  Top Layer w0.2: P4.15@140.5,160.575 140.5,158.025 140.5,156.625 145.96,151.165 SW1.14@145.96,147.62
NetP4_16: P4.16 SW1.13 | length 16.1
  Top Layer w0.2: P4.16@141,160.575 141,157.667 141,156.694 148.5,149.194 SW1.13@148.5,147.62
NetP4_17: P4.17 SW1.12 | length 17.6
  Top Layer w0.2: 141.5,158.64 141.5,158.2 ; P4.17@141.5,160.575 141.5,158.2 ; SW1.12@151.04,147.62 147.11,151.55 146.725,151.55 146.625,151.65 146.609,151.65 141.5,156.759 141.5,158.2
NetP4_18: P4.18 SW1.11 | length 19.1
  Top Layer w0.2: P4.18@142,160.575 142,156.825 146.775,152.05 149.15,152.05 SW1.11@153.58,147.62
NetP4_19: P4.19 SW1.10 | length 21.1
  Top Layer w0.2: P4.19@142.5,160.575 142.5,156.925 146.875,152.55 151.19,152.55 SW1.10@156.12,147.62
NetP6_16: P6.16 R6.1 | length 8.8
  Top Layer w0.25: R6.1@31,149.713 31,145.575 31.95,144.625 P6.16@31.95,141.33
NetP6_19: P6.19 R4.2 | length 53.2
  Top Layer w0.2: v1(59.45,148.7) 59.5,148.75 R4.2@70.463,148.75
  Bottom Layer w0.2: P6.19@26.22,136.25 28.745,138.775 56.025,138.775 56.9,139.65 56.9,146.15 v1(59.45,148.7)
NetP10_1: P10.1 P11.1 | length 16.1
  Top Layer w0.25: P10.1@19,87.1 19,87.537 19.25,87.787 19.25,92.036 20.289,93.075 27.369,93.075 27.9,92.544 v1(27.9,92.475)
  Bottom Layer w0.25: v1(27.9,92.475) 27.9,94 P11.1@28,94.1